# Altium PCB UltraZOhm_CarrierBoard.PcbDoc (part 3 of 12)
Units mm, origin at the board's own origin, x right, y up, seen from the top; angles counter-clockwise.
Board outline 350 x 128 mm, 6 copper layers (Top Layer, L02_GND, L03_Sig, L04_Sig, L05_VCC, Bottom Layer), stack 2.021 mm thick; 851 components, 1243 nets, 4332 pads, 2446 vias.
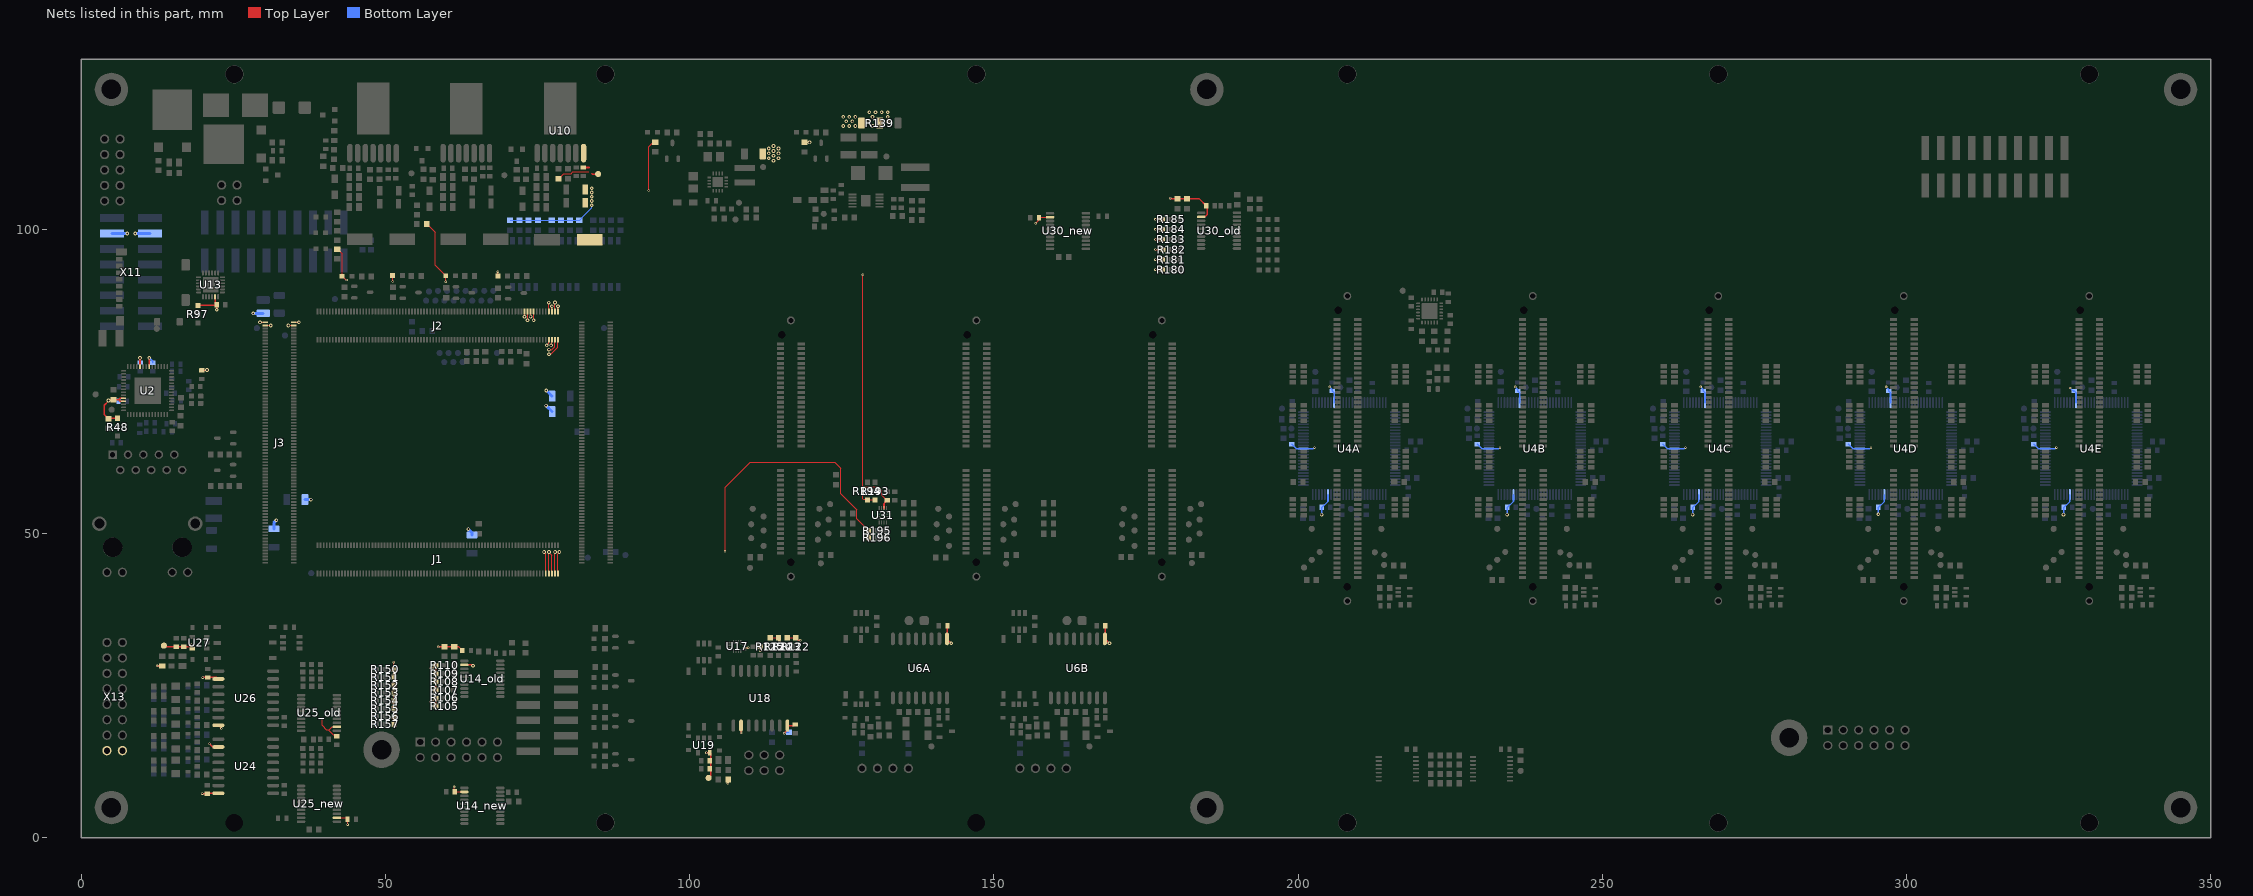
[diagram p7: the nets of this part, all layers, seen from the top]

## Footprints (in the part's own frame and the unit in brackets; to place one, negate y for a bottom-side part, rotate by r counter-clockwise, add the part's x,y. Pads: shape width x height; smd on the part's side, far side on the other; paste and mask are expansions set on the pad) (continued)
SS5-80-3.50-L-D-K-TR [mm]
  rrect20% 0.3x0.93 smd mask+0.05: 1(19.75,2.335) 2(19.75,-2.335) 3(19.25,2.335) 4(19.25,-2.335) 5(18.75,2.335) 6(18.75,-2.335) 7(18.25,2.335) 8(18.25,-2.335) 9(17.75,2.335) 10(17.75,-2.335) 11(17.25,2.335) 12(17.25,-2.335) 13(16.75,2.335) 14(16.75,-2.335) 15(16.25,2.335) 16(16.25,-2.335) 17(15.75,2.335) 18(15.75,-2.335) 19(15.25,2.335) 20(15.25,-2.335) 21(14.75,2.335) 22(14.75,-2.335) 23(14.25,2.335) 24(14.25,-2.335) 25(13.75,2.335) 26(13.75,-2.335) 27(13.25,2.335) 28(13.25,-2.335) 29(12.75,2.335) 30(12.75,-2.335) 31(12.25,2.335) 32(12.25,-2.335) 33(11.75,2.335) 34(11.75,-2.335) 35(11.25,2.335) 36(11.25,-2.335) 37(10.75,2.335) 38(10.75,-2.335) 39(10.25,2.335) 40(10.25,-2.335) 41(9.75,2.335) 42(9.75,-2.335) 43(9.25,2.335) 44(9.25,-2.335) 45(8.75,2.335) 46(8.75,-2.335) 47(8.25,2.335) 48(8.25,-2.335) 49(7.75,2.335) 50(7.75,-2.335) 51(7.25,2.335) 52(7.25,-2.335) 53(6.75,2.335) 54(6.75,-2.335) 55(6.25,2.335) 56(6.25,-2.335) 57(5.75,2.335) 58(5.75,-2.335) 59(5.25,2.335) 60(5.25,-2.335) 61(4.75,2.335) 62(4.75,-2.335) 63(4.25,2.335) 64(4.25,-2.335) 65(3.75,2.335) 66(3.75,-2.335) 67(3.25,2.335) 68(3.25,-2.335) 69(2.75,2.335) 70(2.75,-2.335) 71(2.25,2.335) 72(2.25,-2.335) 73(1.75,2.335) 74(1.75,-2.335) 75(1.25,2.335) 76(1.25,-2.335) 77(0.75,2.335) 78(0.75,-2.335) 79(0.25,2.335) 80(0.25,-2.335) 81(-0.25,2.335) 82(-0.25,-2.335) 83(-0.75,2.335) 84(-0.75,-2.335) 85(-1.25,2.335) 86(-1.25,-2.335) 87(-1.75,2.335) 88(-1.75,-2.335) 89(-2.25,2.335) 90(-2.25,-2.335) 91(-2.75,2.335) 92(-2.75,-2.335) 93(-3.25,2.335) 94(-3.25,-2.335) 95(-3.75,2.335) 96(-3.75,-2.335) 97(-4.25,2.335) 98(-4.25,-2.335) 99(-4.75,2.335) 100(-4.75,-2.335) 101(-5.25,2.335) 102(-5.25,-2.335) 103(-5.75,2.335) 104(-5.75,-2.335) 105(-6.25,2.335) 106(-6.25,-2.335) 107(-6.75,2.335) 108(-6.75,-2.335) 109(-7.25,2.335) 110(-7.25,-2.335) 111(-7.75,2.335) 112(-7.75,-2.335) 113(-8.25,2.335) 114(-8.25,-2.335) 115(-8.75,2.335) 116(-8.75,-2.335) 117(-9.25,2.335) 118(-9.25,-2.335) 119(-9.75,2.335) 120(-9.75,-2.335) 121(-10.25,2.335) 122(-10.25,-2.335) 123(-10.75,2.335) 124(-10.75,-2.335) 125(-11.25,2.335) 126(-11.25,-2.335) 127(-11.75,2.335) 128(-11.75,-2.335) 129(-12.25,2.335) 130(-12.25,-2.335) 131(-12.75,2.335) 132(-12.75,-2.335) 133(-13.25,2.335) 134(-13.25,-2.335) 135(-13.75,2.335) 136(-13.75,-2.335) 137(-14.25,2.335) 138(-14.25,-2.335) 139(-14.75,2.335) 140(-14.75,-2.335) 141(-15.25,2.335) 142(-15.25,-2.335) 143(-15.75,2.335) 144(-15.75,-2.335) 145(-16.25,2.335) 146(-16.25,-2.335) 147(-16.75,2.335) 148(-16.75,-2.335) 149(-17.25,2.335) 150(-17.25,-2.335) 151(-17.75,2.335) 152(-17.75,-2.335) 153(-18.25,2.335) 154(-18.25,-2.335) 155(-18.75,2.335) 156(-18.75,-2.335) 157(-19.25,2.335) 158(-19.25,-2.335) 159(-19.75,2.335) 160(-19.75,-2.335)
  silkscreen extent -21.57,-2.17 21.98,2.93, body extent -21.56,-2.5 21.98,2.5, height 4.03
TE0790-BASE [mm]
  rect 1.5x1.5 hole 1: 1(1.27,6.35)
  round 1.5 hole 1: 2(-1.27,6.35) 3(1.27,3.81) 4(-1.27,3.81) 5(1.27,1.27) 6(-1.27,1.27) 7(1.27,-1.27) 8(-1.27,-1.27) 9(1.27,-3.81) 10(-1.27,-3.81) 11(1.27,-6.35) 12(-1.27,-6.35)
  round 6 hole 3.2: H1(0,12.7)
  silkscreen extent -2.54,-7.62 3.27,7.62, body extent -4.78,-7.75 15.24,18.7, height 14.23
TI_PW_R-PDSO-G20_N [mm] "SOP, 20-Leads, Body 6.6x4.5mm, Pitch 0.65mm, IPC Medium Density"
  oval 1.4x0.45 smd: 1(-2.95,2.925) 2(-2.95,2.275) 3(-2.95,1.625) 4(-2.95,0.975) 5(-2.95,0.325) 6(-2.95,-0.325) 7(-2.95,-0.975) 8(-2.95,-1.625) 9(-2.95,-2.275) 10(-2.95,-2.925) 11(2.95,-2.925) 12(2.95,-2.275) 13(2.95,-1.625) 14(2.95,-0.975) 15(2.95,-0.325) 16(2.95,0.325) 17(2.95,0.975) 18(2.95,1.625) 19(2.95,2.275) 20(2.95,2.925)
  silkscreen extent -3.07,-3.3 1.85,3.82, body extent -3.21,-3.25 3.21,3.25, height 1
TI_SOT23_6-LEADS [mm] "SOT23, 6-Leads, Body 3.05x1.75mm, Pitch 0.95mm, IPC Medium Density"
  rrect17% 1x0.6 smd: 1(-1.375,0.95) 2(-1.375,0) 3(-1.375,-0.95) 4(1.375,-0.95) 5(1.375,0) 6(1.375,0.95)
  silkscreen extent -1.5,-1.55 0.5,1.92, body extent -1.42,-1.46 1.42,1.46, height 1.11
TP_1MM [mm]
  round 1 smd paste-1: 1(0,0)
  silkscreen extent -0.75,-0.75 0.75,0.75
TQFP100_N [mm] "Thin QFP, 100-Leads, Body 14x14mm, Pitch 0.5mm, IPC Medium Density"
  oval 1.8x0.3 smd: 1(-7.55,6) 2(-7.55,5.5) 3(-7.55,5) 4(-7.55,4.5) 5(-7.55,4) 6(-7.55,3.5) 7(-7.55,3) 8(-7.55,2.5) 9(-7.55,2) 10(-7.55,1.5) 11(-7.55,1) 12(-7.55,0.5) 13(-7.55,0) 14(-7.55,-0.5) 15(-7.55,-1) 16(-7.55,-1.5) 17(-7.55,-2) 18(-7.55,-2.5) 19(-7.55,-3) 20(-7.55,-3.5) 21(-7.55,-4) 22(-7.55,-4.5) 23(-7.55,-5) 24(-7.55,-5.5) 25(-7.55,-6) 51(7.55,-6) 52(7.55,-5.5) 53(7.55,-5) 54(7.55,-4.5) 55(7.55,-4) 56(7.55,-3.5) 57(7.55,-3) 58(7.55,-2.5) 59(7.55,-2) 60(7.55,-1.5) 61(7.55,-1) 62(7.55,-0.5) 63(7.55,0) 64(7.55,0.5) 65(7.55,1) 66(7.55,1.5) 67(7.55,2) 68(7.55,2.5) 69(7.55,3) 70(7.55,3.5) 71(7.55,4) 72(7.55,4.5) 73(7.55,5) 74(7.55,5.5) 75(7.55,6)
  oval 0.3x1.8 smd: 26(-6,-7.55) 27(-5.5,-7.55) 28(-5,-7.55) 29(-4.5,-7.55) 30(-4,-7.55) 31(-3.5,-7.55) 32(-3,-7.55) 33(-2.5,-7.55) 34(-2,-7.55) 35(-1.5,-7.55) 36(-1,-7.55) 37(-0.5,-7.55) 38(0,-7.55) 39(0.5,-7.55) 40(1,-7.55) 41(1.5,-7.55) 42(2,-7.55) 43(2.5,-7.55) 44(3,-7.55) 45(3.5,-7.55) 46(4,-7.55) 47(4.5,-7.55) 48(5,-7.55) 49(5.5,-7.55) 50(6,-7.55) 76(6,7.55) 77(5.5,7.55) 78(5,7.55) 79(4.5,7.55) 80(4,7.55) 81(3.5,7.55) 82(3,7.55) 83(2.5,7.55) 84(2,7.55) 85(1.5,7.55) 86(1,7.55) 87(0.5,7.55) 88(0,7.55) 89(-0.5,7.55) 90(-1,7.55) 91(-1.5,7.55) 92(-2,7.55) 93(-2.5,7.55) 94(-3,7.55) 95(-3.5,7.55) 96(-4,7.55) 97(-4.5,7.55) 98(-5,7.55) 99(-5.5,7.55) 100(-6,7.55)
  silkscreen extent -7.67,-6.25 6.25,6.82, body extent -7,-7 7,7, height 1.6
TSOP-10_DGQ0010D_N [mm] "TSOP, 10-Leads, Body 3.1x3.1mm, Pitch 0.5mm, Thermal Pad 1.88x1.57mm, IPC Medium Density"
  rrect33% 1.35x0.3 smd: 1(-2.225,1) 2(-2.225,0.5) 3(-2.225,0) 4(-2.225,-0.5) 5(-2.225,-1) 6(2.225,-1) 7(2.225,-0.5) 8(2.225,0) 9(2.225,0.5) 10(2.225,1)
  rrect6% 1.57x1.88 smd: 11(0,0)
  silkscreen extent -2.35,-1.55 1.15,1.87, body extent -2.45,-1.5 2.45,1.5, height 0.94
TSSOP14 [mm] "TSSOP14"
  rect 1x0.3 smd: 1(-0.2,0)
  oval 1x0.3 smd: 2(-0.2,-0.65) 3(-0.2,-1.3) 4(-0.2,-1.95) 5(-0.2,-2.6) 6(-0.2,-3.25) 7(-0.2,-3.9) 8(5.9,-3.9) 9(5.9,-3.25) 10(5.9,-2.6) 11(5.9,-1.95) 12(5.9,-1.3) 13(5.9,-0.65) 14(5.9,0)
  silkscreen extent 0.64,-4.44 5.08,0.51, body extent -0.34,-4.5 6.06,0.6, height 1.2
"WCAP-PSHP_D8MM X L7.7MM" [mm] "Aluminium Polymer V-Chip SMT Capacitors, D8mm x L7.7mm"
  rect 4.2x1.9 smd: 1(3.5,0) 2(-3.5,0)
  silkscreen extent -4.25,-4.25 4.25,4.25, body extent -4.5,-4.15 4.5,4.15, height 7.67
WE-760390015 [mm]
  rect 1.27x0.66 smd: 1(0,0) 2(0,-2.54) 3(0,-5.08) 4(9.14,-5.08) 5(9.14,-2.5) 6(9.14,0)
  silkscreen extent 0,-5.89 9.15,1, body extent -0.46,-5.82 9.59,0.91, height 4.19
"WE-CBF_0805_HIGH CURRENT" [mm] "SMD EMI Suppression Ferrite  Bead, body 2.0mmx1.2mm"
  rect 1.4x1 smd: 1(-1.3,0) 2(1.3,0)
  silkscreen extent -2.25,-0.75 2.25,0.75, body extent -1,-0.6 1,0.6, height 0.93
"WE-CNSW 1812" [mm] "SMD Line Filter, 4-Leads, Body 4.5x3.2mm"
  rect 1.15x1.55 smd: 1(-1.825,-1.125) 2(1.825,-1.125) 3(1.825,1.125) 4(-1.825,1.125)
  silkscreen extent -2.9,-1.7 0.43,1.7, body extent -2.25,-1.6 2.25,1.6, height 2.8
WL-SMCW_0603 [mm] "SMD Mono-color Chip LED, body 1.6x0.8mm"
  rect 0.8x0.8 smd: 1(-0.8,0) 2(0.8,0)
  silkscreen extent -1.45,-0.65 1.45,0.65, body extent -0.8,-0.4 0.8,0.4, height 0.7
WQFN24-24_TI [mm] "QFN, 24-Leads, Body 4x4mm, Pitch 0.5mm, Thermal Pad 2.6x2.6mm"
  rrect50% 0.6x0.25 smd: 1(-1.9,1.25) 2(-1.9,0.75) 3(-1.9,0.25) 4(-1.9,-0.25) 5(-1.9,-0.75) 6(-1.9,-1.25) 13(1.9,-1.25) 14(1.9,-0.75) 15(1.9,-0.25) 16(1.9,0.25) 17(1.9,0.75) 18(1.9,1.25)
  rrect50% 0.25x0.6 smd: 7(-1.25,-1.9) 8(-0.75,-1.9) 9(-0.25,-1.9) 10(0.25,-1.9) 11(0.75,-1.9) 12(1.25,-1.9) 19(1.25,1.9) 20(0.75,1.9) 21(0.25,1.9) 22(-0.25,1.9) 23(-0.75,1.9) 24(-1.25,1.9)
  rrect5% 2.6x2.6 smd: 25(0,0)
  silkscreen extent -2.78,-2 2,2, body extent -2,-2 2,2, height 0.8

## Part data
C1: library part C_1206, "Capacitor 1206", Dielectric=X5R, MPN=MC1206X226K160CT, Package=1206, Supplier Part Number 1=2320923, Tolerance=10%, Voltage=16V, Created=2018_06_25_AGeiger, MF=Multicomp, Supplier 1=Farnell
C2 C3 C5 C6 C7 C8 C9 C10 C14 C15 C16 C18 C20 C47 C57 C67 C71: library part C_0603, "Capacitor 0603", Dielectric=X5R, MPN=C0603C474K4PACTU, Package=0603, Supplier Part Number 1=2522418, Tolerance=±10%, Voltage=16V, Created=2018_09_13_AGeiger, MF=Kemet, Supplier 1=Farnell
C4 C22A C22B C22C C22D C22E C23A C23B C23C C23D C23E C24A C24B C24C C24D C24E C25A C25B C25C C25D C25E C26A C26B C26C C26D C26E C27A C27B C27C C27D C27E C28A C28B C28C C28D C28E C29A C29B C29C C29D C29E C30A C30B C30C C30D C30E C31A C31B C31C C31D C31E C32A C32B C32C C32D C32E C33A C33B C33C C33D C33E C34A C34B C35A C35B C38A C38B C73 C74 C75 C76 C77 C78 C79 C80 C82 C88 C90 C91 C96 C97 C98 C99 C100 C101 C103 C106A C106B C106C C106D C106E C106F C106G C106H C107 C108 C109 C110 C111 C117 C118 C119 C120 C122 C123 C124 C125: library part C_0603, "Capacitor 0603", Dielectric=X7R, MPN=MC0603B104K500CT, Package=0603, Supplier Part Number 1=1759122, Tolerance=±10%, Voltage=50V, Created=2018_09_13_AGeiger, MF=Multicomp, Supplier 1=Farnell
C11 C13: library part C_0603, "Capacitor 0603", Dielectric=X5R, MPN=GRT188R61E475KE13D, Package=0603, Supplier Part Number 1=2672159, Tolerance=±10%, Voltage=25V, Created=2018_09_13_AGeiger, MF=Murata, Supplier 1=Farnell
C12: library part C_1210, "Capacitor 1210", Dielectric="C0G / NP0", MPN=C1210C101KDGACAUTO, Package=1210, Supplier Part Number 1=2834664, Tolerance=10%, Voltage=1000V, Created=2018_11_12_AGeiger, MF=Kemet, Supplier 1=Farnell
C17 C19: library part C_0603, "Capacitor 0603", Dielectric=X5R, MPN=GRM188R60J106ME47J, Package=0603, Supplier Part Number 1=2611921, Tolerance=±20%, Voltage=6.3V, Created=2018_09_13_AGeiger, MF=Murata, Supplier 1=Farnell
C21 C50 C60 C70: library part C_0603, "Capacitor 0603", Dielectric=X7R, MPN=885012206048, Package=0603, Supplier Part Number 1=2507331, Tolerance=±10%, Voltage=16V, Created=2018_09_13_AGeiger, MF="Wuerth Elektronik", Supplier 1=Farnell
C36A C36B C94: library part C_0603, "Capacitor 0603", Dielectric="C0G / NP0", MPN=C1608C0G1H472J080AA, Package=0603, Supplier Part Number 1=1907312, Tolerance=±5%, Voltage=50V, Created=2018_09_13_AGeiger, MF=TDK, Supplier 1=Farnell
C37A C37B C81 C102: library part C_0603, "Capacitor 0603", Dielectric="C0G / NP0", MPN=06035A102JAT2A, Package=0603, Supplier Part Number 1=317202, Tolerance=±5%, Voltage=50V, Created=2018_09_13_AGeiger, Max Thickness="1 mm", MF=AVX, Supplier 1=Farnell
C39A C39B C83 C104: library part C_0805, "Capacitor 0805", Dielectric=X5R, MPN=C2012X5R1C226M125AC, Package=0805, Supplier Part Number 1=2525135, Voltage=16V, Created=2018_09_13_AGeiger, MF=TDK, Supplier 1=Farnell
C40A C40B C84 C105: library part C_0603, "Capacitor 0603", Dielectric=X5R, MPN=0603ZD106MAT2A, Package=0603, Supplier Part Number 1=1867954, Tolerance=±5%, Voltage=10V, Created=2018_09_13_AGeiger, MF=AVX, MP=AVX, Supplier 1=Farnell
C41 C42 C43 C44 C51 C52 C53 C54 C61 C62 C63 C64 C89 C121: library part C_0805, "Capacitor 0805", Dielectric=X6S, MPN=GRM21BC8YA106KE11L, Package=0805, Supplier Part Number 1=2611936, Voltage=35V, Created=2018_11_13_AGeiger, MF=Murata, Supplier 1=Farnell, Supplier 2=Mouser, Supplier Part Number 2=81-GRM21BC8YA106KE1L
C45 C55 C65: library part C_0603, "Capacitor 0603", Dielectric=X7R, MPN=885012206092, Package=0603, Supplier Part Number 1=2495184, Tolerance=±10%, Voltage=50V, MF="Wuerth Elektronik", Supplier 1=Farnell
  C45: Created=2019_10_06_AGeiger
  C55 C65: Created=2018_09_13_AGeiger
C46 C56 C66: library part 875115350002, "WCAP-PSHP Aluminum Polymer Capacitors, D8mm x L7.7mm, 220 uF, 16 VDC", Operating Temperature="-55 to +105 degC", Supplier Part Number 1=2466695, Voltage=16V, ComponentLink1Description=Manufacturer, ComponentLink1URL=http://www.we-online.de, ComponentLink2Description=Datasheet, ComponentLink2URL=http://katalog.we-online.de/pbs/datasheet/875115350002.pdf, Created=2018_11_13_AGeiger, Life Cycle="2000 h", MF="Wuerth Elektronik", MPN=875115350002, Published Date="Dec. 2017", Size="D8mm x L7.7mm", Supplier 1=Farnell, Supplier 2=Mouser, Supplier Part Number 2=710-875115350002
C48 C49 C58 C59 C68 C69: library part 885012108018, "WCAP-CSGP Ceramic Capacitors, 1206, X5R, 16V, 22uF", Dielectric=X5R, Operating Temperature="-55 °C to +125 °C", Package=1206, Supplier Part Number 1=710-885012108018, Voltage=16V, ComponentLink1Description=Manufacturer, ComponentLink1URL=http://www.we-online.de, ComponentLink2Description=Datasheet, ComponentLink2URL=http://katalog.we-online.de/pbs/datasheet/885012108018.pdf, Created=2018_11_13_AGeiger, MF="Wuerth Elektronik", MPN=885012108018, Published Date="Oct. 2017", Supplier 1=Mouser
C72 C92 C93: library part C_1210, "Capacitor 1210", Dielectric=X6S, MPN=GRM32EC81C476KE15L, Package=1210, Supplier Part Number 1=1907527, Tolerance=10%, Voltage=16V, Created=2018_11_12_AGeiger, MF=Murata, Supplier 1=Farnell
C85: library part C_0805, "CAP 0805 (2012 Metric) SMD", MPN=C2012X7R0J106M125AB, Package=0805, Supplier Part Number 1=445-7594-6-ND, Voltage=6.3V, Created=2018_09_13_AGeiger, MF=TDK, Supplier 1=Digi-Key, Supplier 2=Mouser, Supplier Part Number 2=810-C2012X7R0J106MAB, Technology=SMT
C86: library part C_0805, "CAP 0805 (2012 Metric) SMD", MPN=C2012X7S1A226M125AC, Package=0805, Supplier Part Number 1=445-14560-6-ND, Voltage=6.3V, Created=2018_09_13_AGeiger, MF=TDK, Supplier 1=Digi-Key, Supplier 2=Mouser, Supplier Part Number 2=810-C2012X7S1A226MAC
C87: library part C_0603_X7R, "CAP 10nF 6.3V ±10% 0603 (1608 Metric) Thickness 1mm SMD", MPN=GRM188R70J103KA01, Package=0603, Rated Voltage="6.3 V", Supplier Part Number 1=490-9729-1-ND, Tolerance=±10%, Created=2018_09_18_AGeiger, Max Thickness="1 mm", MF=Murata, Supplier 1=Digi-Key
C95: library part C_0603, "Capacitor 0603", Dielectric="C0G / NP0", MPN=885012006055, Package=0603, Supplier Part Number 1=2533852, Tolerance=±5%, Voltage=50V, Created=2018_09_13_AGeiger, MF="Wuerth Elektronik", Supplier 1=Farnell
C112 C113 C114 C115 C116: library part C_0603, "Capacitor 0603", Dielectric="C0G / NP0", MPN=06035A101JAT4A, Package=0603, Supplier Part Number 1=499122, Tolerance=±5%, Voltage=50V, Created=2018_12_19_AGeiger, MF=AVX, Supplier 1=Farnell, Supplier 2=Mouser, Supplier 3=Digi-Key, Supplier Part Number 3=478-10676-1-ND
  C112 C113 C115 C116: Supplier Part Number 2=581-06035A101JAT4A
D1 D2 D3 D11 D16 D18: library part LED_Red_0603, "WL-SMCW SMD Mono-color Chip LED Waterclear, size 0603, Red, 2 V, 140°", Emitting Color=Red, Forward Voltage="2 V", Package=0603, Supplier Part Number 1=2322071, ComponentLink1Description=Manufacturer, ComponentLink1URL=http://www.we-online.de, ComponentLink2Description=Datasheet, ComponentLink2URL=http://katalog.we-online.com/led/datasheet/150060RS75000.pdf, Created=2018_09_06_AGeiger, Dominant Wavelength="625 nm", Luminous Intensity="250 mcd", MF="Wuerth Elektronik", MPN=150060RS75000, Peak Wavelength="630 nm", Published Date="Sep. 2017", Size=0603, Supplier 1=Farnell, Supplier 2=Mouser, Supplier 3=Digi-Key, Supplier Part Number 2=710-150060RS75000, Supplier Part Number 3=732-4978-1-ND, Viewing Angle=140°
D4A D4B D4C D4D D4E: "Surface Mount Schottky Barrier Diode, 100 V, -55 to 125 degC, 2-Pin SOD123, RoHS, Tape and Reel", MPN=BAT46W-7-F, Operating Temperature="-55 to 125 degC", Package=SOD-123, Supplier Part Number 1=1858621, ComponentLink1Description="Manufacturer URL", ComponentLink1URL=http://www.diodes.com/, ComponentLink2Description=Datasheet, ComponentLink2URL=http://diodes.com/datasheets/ds30044.pdf, ComponentLink3Description="Package Specification", ComponentLink3URL=http://diodes.com/datasheets/ds30044.pdf, Created=2018_09_06_AGeiger, CT@1 V="12 pF Typ.", DatasheetVersion="Rev. 16-2", IR@1.5 V="0.3 uA Max.", MF="Diodes Incorporated", Mounting Technology="Surface Mount", PackageDescription="2-Pin SMD, Body 2.7 x 1.55 mm, Height 1.45 mm", Packing="Tape and Reel", RoHS=TRUE, Supplier 1=Farnell, Supplier 2=Mouser, Supplier 3=Digi-Key, Supplier Part Number 2=621-BAT46W-7-F, Supplier Part Number 3=BAT46W-7FDICT-ND, V(BR)R="100 V Min.", VF@10 mA="0.45 V Max."
D5A D5B: "Automotive dual-line TVS for CAN bus, 25 V", Package=SOT-23-3, Supplier Part Number 1=2455736, ComponentLink1Description=Datasheet, ComponentLink1URL=https://www.mouser.de/datasheet/2/389/esdcan01-2bly-954716.pdf, Created=2018_09_05_AGeiger, MF="ST Microelectronics", MPN=ESDCAN01-2BLY, Supplier 1=Farnell, Supplier 2=Mouser, Supplier 3=Digi-Key, Supplier Part Number 2=511-ESDCAN01-2BLY, Supplier Part Number 3=497-15333-1-ND
D6A D6B D7A D7B D14 D15 D19 D20: "BAT20J high efficiency switching and ultra low leakage current schottky diode", MPN=BAT20JFILM, Package=SOD-323, Supplier Part Number 1=1467541, Created=2018_09_13_AGeiger, MF="ST Microelectronics", Supplier 1=Farnell
D8 D9 D13: library part Zener_Diode_BZX84C5V1, "Zener Voltage Regulator, 250 mW, 3-Pin SOT-23", MPN=BZX84C5V1LT1G, Supplier Part Number 1=863-BZX84C5V1LT1G, ComponentLink1Description="Manufacturer URL", ComponentLink1URL=http://www.onsemi.com/, ComponentLink2Description=Datasheet, ComponentLink2URL=http://www.onsemi.com/pub_link/Collateral/BZX84C2V4LT1-D.PDF, ComponentLink3Description="Package Specification", ComponentLink3URL=http://www.onsemi.cn/pub_link/Collateral/318-08.PDF, Created=2018_09_13_AGeiger, DatasheetVersion="Rev. 17", MF="On Semiconductor", Mounting Technology="Surface Mount", PackageDescription="3-Pin Small Outline Transistor, Body 2.92 x 1.3 mm, Pitch 0.95 mm", PackageReference=SOT-23-3-318-08, PackageVersion="Rev. AP, 11/2009", Packing="Tape and Reel", RoHS=Pb-Free, Supplier 1=Mouser
D10 D25: library part LED_Green_0603, "WL-SMCW SMD Mono-color Chip LED Waterclear, size 0603, Green, 3.2 V, 140°", Emitting Color=Green, Forward Voltage="3.2 V", Package=0603, Supplier Part Number 1=2322070, ComponentLink1Description=Manufacturer, ComponentLink1URL=http://www.we-online.de, ComponentLink2Description=Datasheet, ComponentLink2URL=http://katalog.we-online.com/led/datasheet/150060GS75000.pdf, Created=2018_09_06_AGeiger, Dominant Wavelength="520 nm", Luminous Intensity="430 mcd", MF="Wuerth Elektronik", MPN=150060GS75000, Peak Wavelength="515 nm", Published Date="Sep. 2017", Size=0603, Supplier 1=Farnell, Supplier 2=Mouser, Supplier 3=Digi-Key, Supplier Part Number 2=710-150060GS75000, Supplier Part Number 3=732-4971-1-ND, Viewing Angle=140°
D12 D24A D24B D24C D24D: library part LED_Blue_0603, "WL-SMCW SMD Mono-color Chip LED Waterclear, size 0603, Blue, 3.2 V, 140°", Emitting Color=Blue, Forward Voltage="3.2 V", Package=0603, Supplier Part Number 1=2322069, ComponentLink1Description=Manufacturer, ComponentLink1URL=http://www.we-online.de, ComponentLink2Description=Datasheet, ComponentLink2URL=http://katalog.we-online.com/led/datasheet/150060BS75000.pdf, Created=2018_09_06_AGeiger, Dominant Wavelength="470 nm", Luminous Intensity="145 mcd", MF="Wuerth Elektronik", MPN=150060BS75000, Peak Wavelength="465 nm", Published Date="Sep. 2017", Size=0603, Supplier 1=Farnell, Supplier 2=Mouser, Supplier 3=Digi-Key, Supplier Part Number 2=710-150060BS75000, Supplier Part Number 3=732-4966-1-ND, Viewing Angle=140°
D17: "Automotive power Schottky rectifier", MPN=STPS340UY, Package=SMB, Supplier Part Number 1=511-STPS340UY, ComponentLink1Description=Datasheet, ComponentLink1URL=https://www.mouser.de/datasheet/2/389/stps340-y-956644.pdf, Created=2018_09_20_AGeiger, MF="ST Microelectronics", Supplier 1=Mouser, Supplier 2=Digi-Key, Supplier Part Number 2=497-13432-1-ND
D21A D21B D21C D21D D21E D21F D21G D21H: library part TVS_Unidir_SOD-323, "Ultra Low Capacitance TVS Array, Unidirectional", Breakdown Voltage="4 V", Package=SOD-323, Supplier Part Number 1=2341910, ComponentLink1Description=Datasheet, ComponentLink1URL=https://www.mouser.de/datasheet/2/54/dsod323-txxsc-777083.pdf, Created=2019_09_14_AGeiger, MF=Bourns, MPN=CDSOD323-T03SC, Qualification=AEC-Q101, Supplier 1=Farnell, Supplier 2=Mouser, Supplier 3=Digi-Key, Supplier Part Number 2=652-CDSOD323-T03SC, Supplier Part Number 3=CDSOD323-T03SCCT-ND
D22: library part Zener_Diode_BZX84C15, "Zener Voltage Regulator, 225 mW, 3-Pin SOT-23", MPN=BZX84C15LT1G, Package=SOT-23, Supplier Part Number 1=863-BZX84C15LT1G, ComponentLink1Description="Manufacturer URL", ComponentLink1URL=http://www.onsemi.com/, ComponentLink2Description=Datasheet, ComponentLink2URL=http://www.onsemi.com/pub_link/Collateral/BZX84C2V4LT1-D.PDF, ComponentLink3Description="Package Specification", ComponentLink3URL=http://www.onsemi.cn/pub_link/Collateral/318-08.PDF, Created=2018_09_17_AGeiger, MF="On Semiconductor", Mounting Technology="Surface Mount", PackageDescription="3-Pin Small Outline Transistor, Body 2.92 x 1.3 mm, Pitch 0.95 mm", Supplier 1=Mouser, Supplier 2=Digi-Key, Supplier 3=Farnell, Supplier Part Number 2=BZX84C15LT1GOSCT-ND, Supplier Part Number 3=1651578
D23: library part TVS_Unidir_SMB, "TVS, Unidirectional, 600W", MPN=SMBJ30A, Package="SMB DO-214AA", Supplier Part Number 1=512-SMBJ30A, ComponentLink1Description=Datasheet, ComponentLink1URL=https://www.mouser.de/datasheet/2/308/SMBJ30A-1297653.pdf, Created=2019_09_14_AGeiger, MF=Fairchild, Supplier 1=Mouser
F1: library part Littlefuse_154_Fuse, "SMD Fuse 154 Series OMNI-BLOK Fuse and Holder Assembly", MPN=0154005.DR, Package="EIA RS–481–2", Supplier Part Number 1=9943668, ComponentLink1Describtion=Datasheet, ComponentLink1URL=https://www.littelfuse.com/~/media/electronics/datasheets/fuses/littelfuse_fuse_154_154t_154l_154tl_datasheet.pdf.pdf, Created=2018_11_07_AGeiger, HelpURL=https://www.littelfuse.de/products/fuse-blocks-fuseholders-and-fuse-accessories/fuse-blocks/154.aspx, MF=Littlefuse, Supplier 1=Farnell, Supplier 2=Mouser, Supplier Part Number 2=576-0154005.DR
J1 J2 J3 J4: "Samtec Ultra Fine Pitch Socket REF192552-01, 160 Pins", Supplier Part Number 1=200-SS5803.50LDKTR, Created=2018_06_25_AGeiger, MF=SAMTEC, MPN=SS5-80-3.50-L-D-K-TR, Supplier 1=Mouser, Supplier 2=Digi-Key, Supplier Part Number 2=SAM15086CT-ND
L1: library part L_1008, "Fixed Inductance SMD 1µH +-20% 0.055Ohm", Current=1.7A, MPN=74479787210A, Package=1008, Supplier Part Number 1=2066866, ComponentLink1Description=Datasheet, ComponentLink1URL=http://www.farnell.com/datasheets/1919854.pdf, Created=2018_06_25_AGeiger, MF="Wuerth Elektronik", Supplier 1=Farnell, Supplier 2=Mouser, Supplier 3=Digi-Key, Supplier Part Number 2=710-74479787210A, Supplier Part Number 3=732-3436-1-ND, Technology=0.055Ohm
L2: "Ferrite Beads 220ohms 2.2A 50mOhms 0603 Ferrite Chip", Package=0603, Supplier Part Number 1=1301677, ComponentLink1Description=Datasheet, ComponentLink1URL=https://www.mouser.de/datasheet/2/400/eads_commercial_power_mpz1608_en-923650.pdf, Created=2018_07_17_AGeiger, MF=TDK, MPN=MPZ1608S221ATA00, Supplier 1=Farnell, Supplier 2=Mouser, Supplier 3=Digi-Key, Supplier Part Number 2=810-MPZ1608S221ATA00, Supplier Part Number 3=445-1565-1-ND
L3 L4: library part Ferrite_Beads_0603, "Ferrite Beads 220ohms 2.2A 50mOhms 0603 Ferrite Chip", Package=0603, Supplier Part Number 1=1301677, ComponentLink1Description=Datasheet, ComponentLink1URL=https://www.mouser.de/datasheet/2/400/eads_commercial_power_mpz1608_en-923650.pdf, Created=2018_07_17_AGeiger, MF=TDK, MPN=MPZ1608S221ATA00, Supplier 1=Farnell, Supplier 2=Mouser, Supplier 3=Digi-Key, Supplier Part Number 2=810-MPZ1608S221ATA00, Supplier Part Number 3=445-1565-1-ND
L5A L5B: "SMD Shielded Coupled Inductor WE-CNSW, Z=90 Ohm", Supplier Part Number 1=2249865, ComponentLink1Description="Manufacturer URL", ComponentLink1URL=http://www.we-online.com, ComponentLink2Description=Datasheet, ComponentLink2URL=http://katalog.we-online.de/pbs/datasheet/744235900.pdf, Created=2018_09_12_AGeiger, Impedance="90 Ohm", MF="Wuerth Elektronik", MPN=744235900, PackageReference="WE-CNSW 1812", Supplier 1=Farnell, Supplier 2=Mouser, Supplier 3=Digi-Key, Supplier Part Number 2=710-744235900, Supplier Part Number 3=732-4223-1-ND
L6 L7 L8 L9 L11: library part "WE-CBF, 742792040", "WE-CBF SMD EMI Suppression Ferrite Bead, 0805, 600 Ohm", MPN=742792040, Package=0805, Supplier Part Number 1=710-742792040, ComponentLink1Description=Manufacturer, ComponentLink1URL=http://www.we-online.de, ComponentLink2Description=Datasheet, ComponentLink2URL=http://katalog.we-online.de/pbs/datasheet/742792040.pdf, Created=2018_09_11_AGeiger, MF="Wuerth Elektronik", PublishedDate="Aug 2016", Supplier 1=Mouser, Supplier 2=Digi-Key, Supplier Part Number 2=732-1620-1-ND, Type="High Current"
L10: library part L_Coilcraft_XFL4020, "Fixed Inductors 1uH 20% 11A 11.9mOhms AEC-Q200", MPN=XFL4020-102MEB, Supplier Part Number 1=994-XFL4020-102MEB, ComponentLink1Description=Datasheet, ComponentLink1URL=https://www.mouser.com/ds/2/597/xfl4020-270756.pdf, Created=2018_09_18_AGeiger, MF=Coilcraft, Supplier 1=Mouser
L12: library part L_Coilcraft_XAL5050, "Power Inductor 15µH 20% 3.9A 76.7mOhm", MPN=XAL5050-153MEC, Supplier Part Number 1=994-XAL5050-153MEC, ComponentLink1Description=Manufacturer, ComponentLink1URL=https://www.coilcraft.com/xal50xx.cfm, ComponentLink2Description=Datasheet, ComponentLink2URL=https://www.coilcraft.com/pdfs/xal50xx.pdf, Created=2018_09_20_AGeiger, MF=Coilcraft, Size="5.68x5.48mm x 5.1mm", Supplier 1=Mouser
LOGO1: library part Logo_THN_TUM_USACH, "Logo of THN TUM USACH", Created=2020-01-08_Thilo_Wendt
MH1 MH2 MH3 MH4 MH5 MH6: library part MHole_3.2mm, "Mount.Hole 3.2mm", Created=2018_07_20_AGeiger
P1A P1B: library part Pinheader_2x1_SMD, "SMD-Header, 2-Pin", Created=2018_12_05_AGeiger
R1 R15 R16 R26 R27 R34 R36 R38 R40 R42 R44 R46 R47 R65A R65B R65C R65D R65E R66A R66B R66C R66D R66E R74A R74B R74C R74D R74E R78A R78B R79A R79B R98 R99 R120 R121 R168A R168B R168C R168D R168E R168F R168G R168H R206 R208 R209 R210: library part R_0603, "SMD Resistor 0603", MPN="MCMR06X000 PTL", Package=0603, Power=100mW, Supplier Part Number 1=2073345, Tolerance=±0.05Ohm, Voltage=75V, Created=2018_09_06_AGeiger, MF=Multicomp, Supplier 1=Farnell
  R34 R36 R38 R40 R42 R44 R46 R47 R78A R78B R79A R79B R98 R120 R121 R208: Assembly=dnp
R2 R4 R6 R52 R53 R142 R147 R178 R179: library part R_0603, "SMD Resistor 0603", MPN=MCWR06X2200FTL, Package=0603, Power=100mW, Supplier Part Number 1=2447298, Tolerance=1%, Voltage=50V, MF=Multicomp, Supplier 1=Farnell
  R2 R4 R6 R52 R53 R142 R147: Created=2018_09_06_AGeiger
  R178 R179: Created=2019_10_12_AGeiger
R3 R5 R7 R11 R12 R13 R14 R17 R18 R20 R21 R22 R23 R24 R25 R32 R33 R35 R37 R39 R41 R43 R45 R51 R54 R90 R111 R112 R113 R114 R115 R116 R117 R118 R119 R146 R148 R171A R171B R171C R171D R171E R171F R171G R171H R175A R175B R175C R175D R198 R199 R200 R201 R202 R203 R204 R205: library part R_0603, "SMD Resistor 0603", MPN=MCWR06X1002FTL, Package=0603, Power=100mW, Supplier Part Number 1=2447230, Tolerance=1%, Voltage=50V, MF=Multicomp, Supplier 1=Farnell
  R3 R5 R7 R11 R12 R13 R14 R17 R18 R20 R21 R22 R23 R24 R25 R32 R33 R35 R37 R39 R41 R43 R45 R51 R54 R90 R111 R112 R113 R114 R115 R116 R117 R118 R119 R146 R148 R175A R175B R175C R175D R198 R199 R201 R203 R204: Created=2018_09_06_AGeiger
  R171A R171B R171C R171D R171E R171F R171G R171H: Created=2019_10_12_AGeiger
  R200 R202 R205: Assembly=dnp, Created=2018_09_06_AGeiger
R8 R92: library part R_0603, "SMD Resistor 0603", MPN=RC0603FR-071KL, Package=0603, Power=100mW, Supplier Part Number 1=9238484, Tolerance=1%, Voltage=75V, Supplier 1=Farnell
  R8: Created=2018_09_06_AGeiger, MF=Yageo
  R92: Created=2019_10_14_AGeiger, MF=Multicomp
R9 R10 R91: library part R_0603, "SMD Resistor 0603", MPN=MCWR06X1000FTL, Package=0603, Power=100mW, Supplier Part Number 1=2447227, Tolerance=1%, Voltage=50V, MF=Multicomp, Supplier 1=Farnell
  R9 R10: Created=2018_09_06_AGeiger
  R91: Created=2019_10_14_AGeiger
R19 R48 R132 R207: library part R_config, "Solder 0603 resistor/jumper between pads 1 and 2 for standard function. Solter resistor between pads 2 and 3 for alternative function", MPN="MCMR06X000 PTL", Package=0603, Power=100mW, Supplier Part Number 1=2073345, Tolerance=±0.05Ohm, Voltage=75V, Created=2018_09_04_AGeiger, MF=Multicomp, Supplier 1=Farnell
R28A R28B R28C R29A R29B R29C R30A R30B R30C R31A R31B R31C: library part R_0603, "SMD Resistor 0603", MPN=MCWR06X22R0FTL, Package=0603, Power=100mW, Supplier Part Number 1=2447301, Tolerance=1%, Voltage=50V, Created=2018_09_06_AGeiger, MF=Multicomp, Supplier 1=Farnell
R49 R71A R71B R71C R71D R71E: library part R_0603, "SMD Resistor 0603", MPN=MCWR06X33R0FTL, Package=0603, Power=100mW, Supplier Part Number 1=2447344, Tolerance=1%, Voltage=50V, Created=2018_09_06_AGeiger, MF=Multicomp, Supplier 1=Farnell
R50 R56 R176 R177: library part R_0603, "SMD Resistor 0603", MPN=MCSR06X4991FTL, Package=0603, Power=100mW, Supplier Part Number 1=2074271, Tolerance=1%, Voltage=75V, Created=2018_09_06_AGeiger, MF=Multicomp, Supplier 1=Farnell
  R176 R177: Assembly=dnp
R55: library part R_1206, "SMD Resistor 1206", MPN=KTR18EZPF1004, Package=1206, Power=250mW, Supplier Part Number 1=2802466, Tolerance=±1%, Voltage=500V, Created=2018_07_20_AGeiger, MF=ROHM, Supplier 1=Farnell
R57A R57B R57C R57D R57E R58A R58B R58C R58D R58E R59A R59B R59C R59D R59E R60A R60B R60C R60D R60E R61A R61B R61C R61D R61E R62A R62B R62C R62D R62E R63A R63B R63C R63D R63E R64A R64B R64C R64D R64E: library part R_0603_Array_4R, "Chip Resistor Array", MPN=EXB-38V510JV, Package=0603x4-Array, Supplier Part Number 1=667-EXB-38V510JV, ComponentLink1Description=Datasheet, ComponentLink1URL=https://www.mouser.de/datasheet/2/315/AOC0000C14-1108062.pdf, Created=2018_10_30_AGeiger, MF=Panasonic, Supplier 1=Mouser